# KiCad board x399 Burn In v0_0_6LC.kicad_pcb
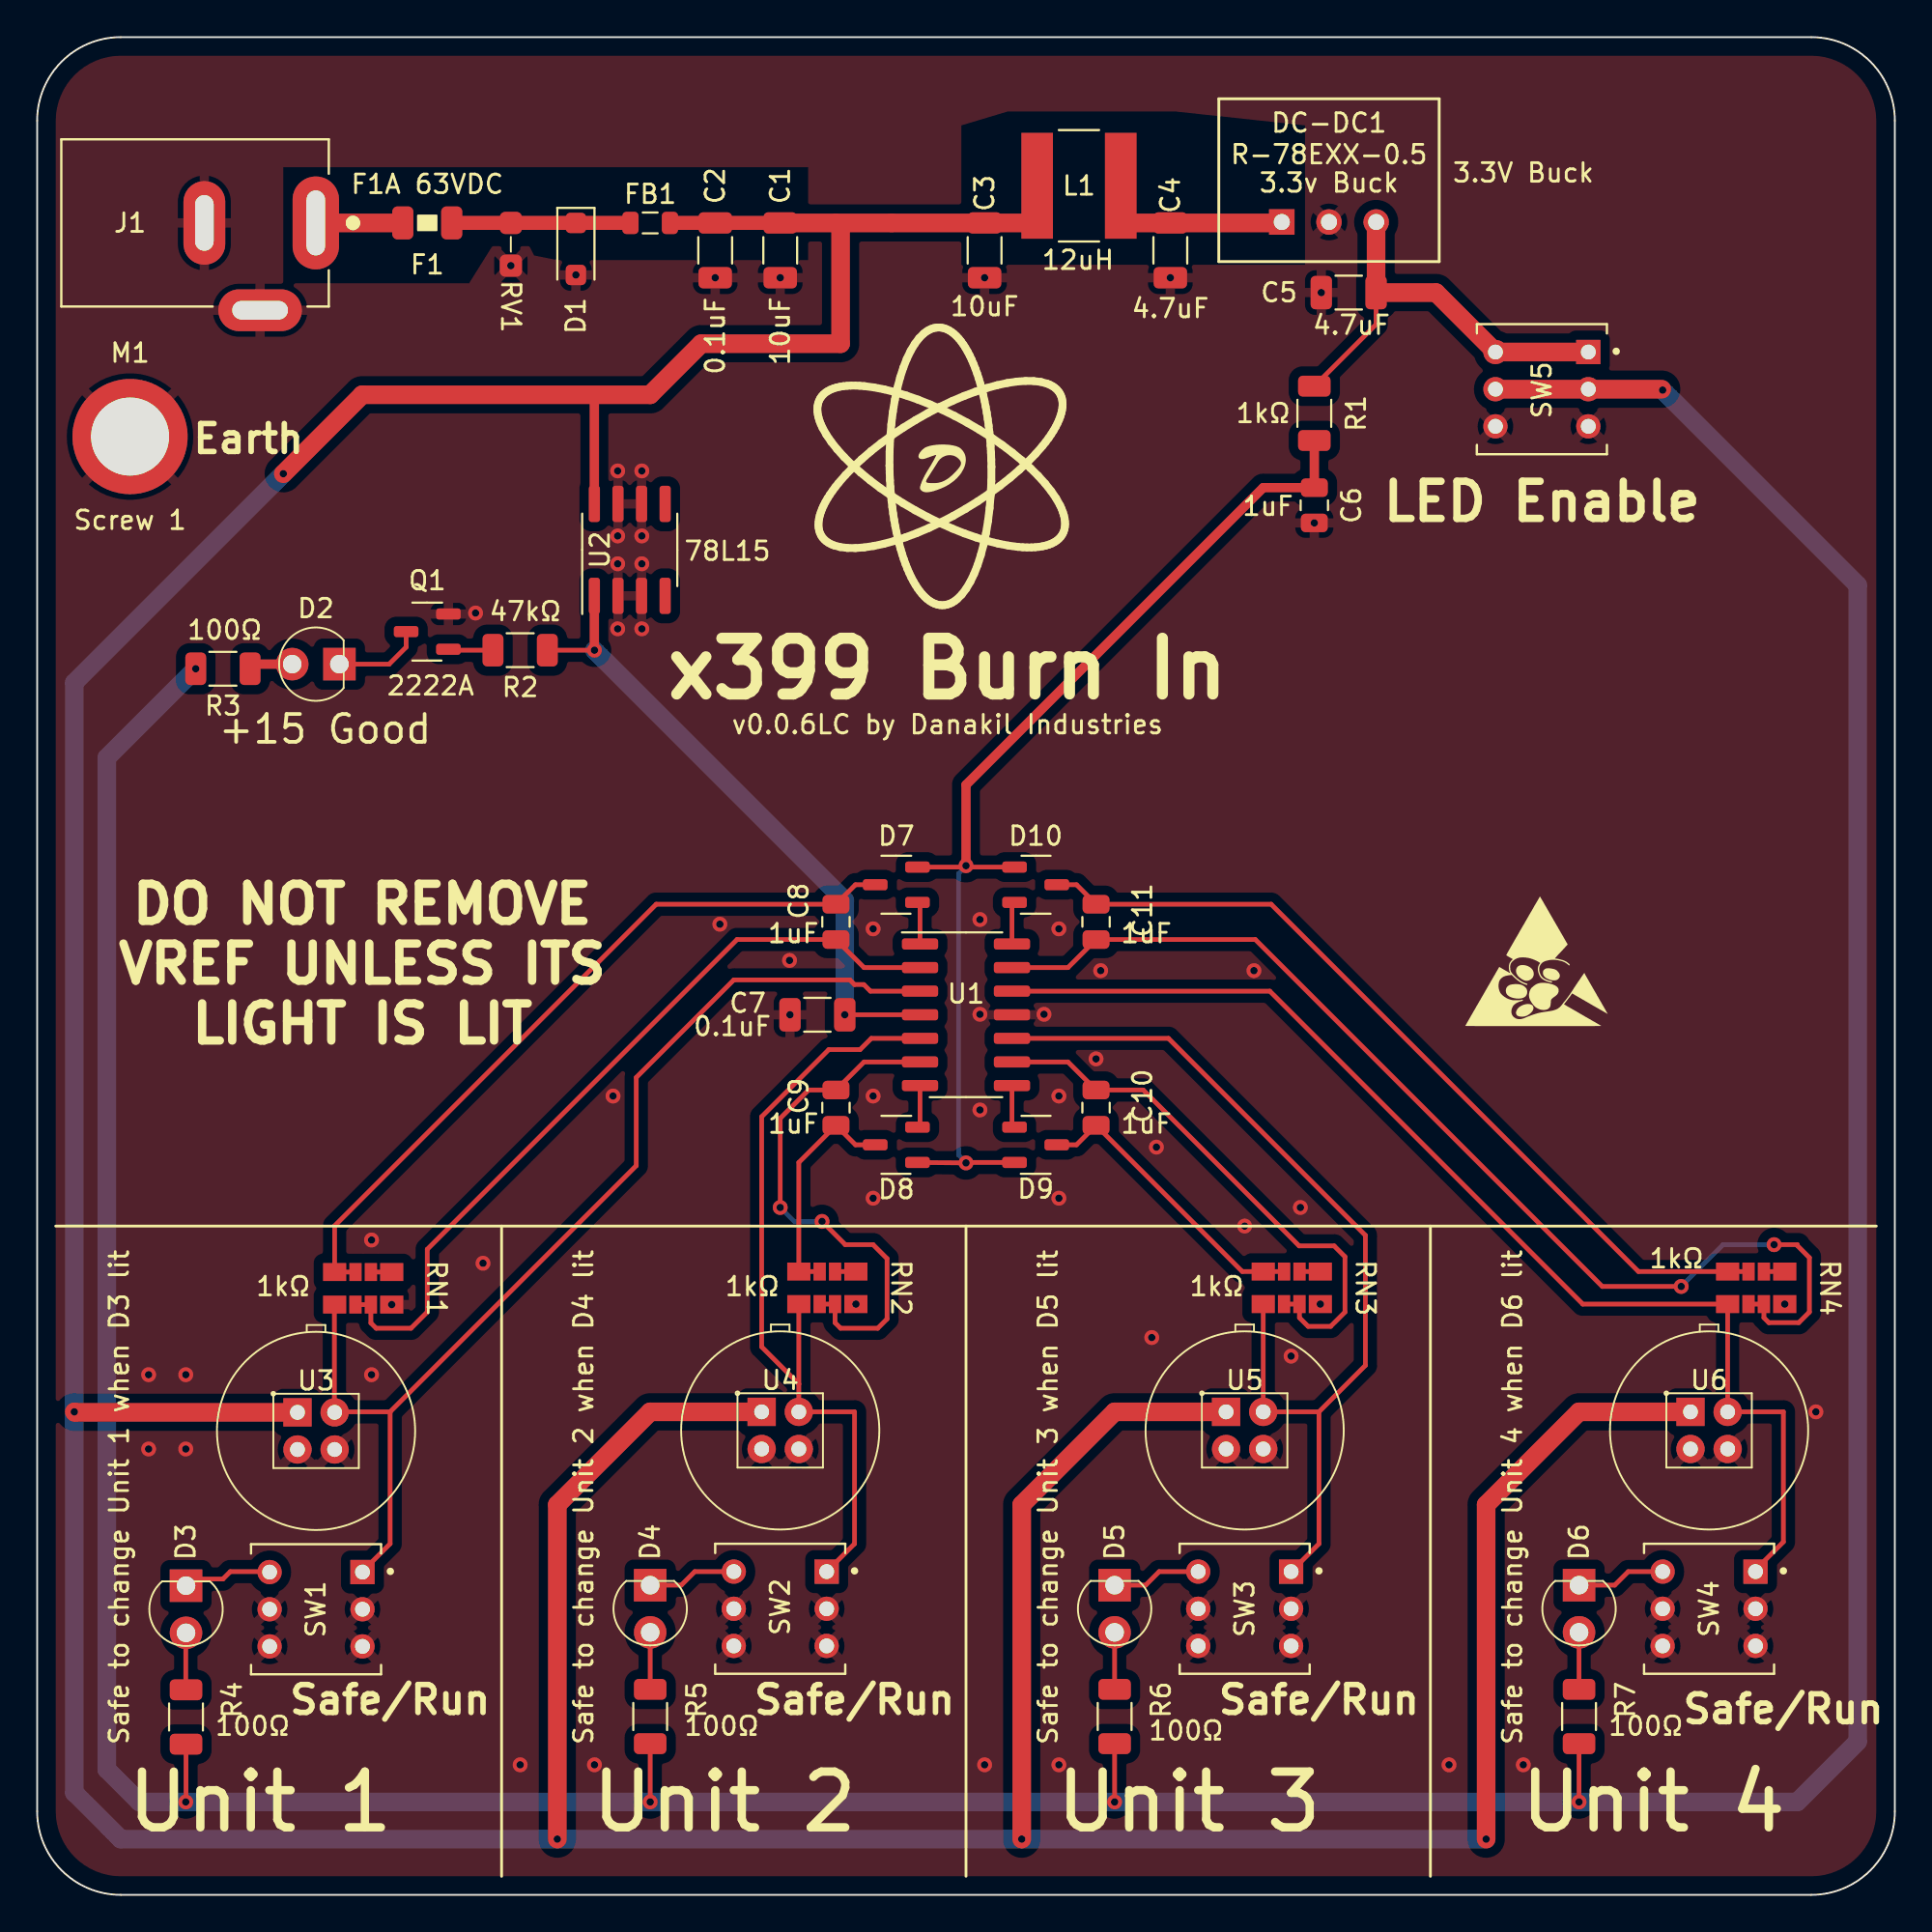
[diagram p0: board, top side]
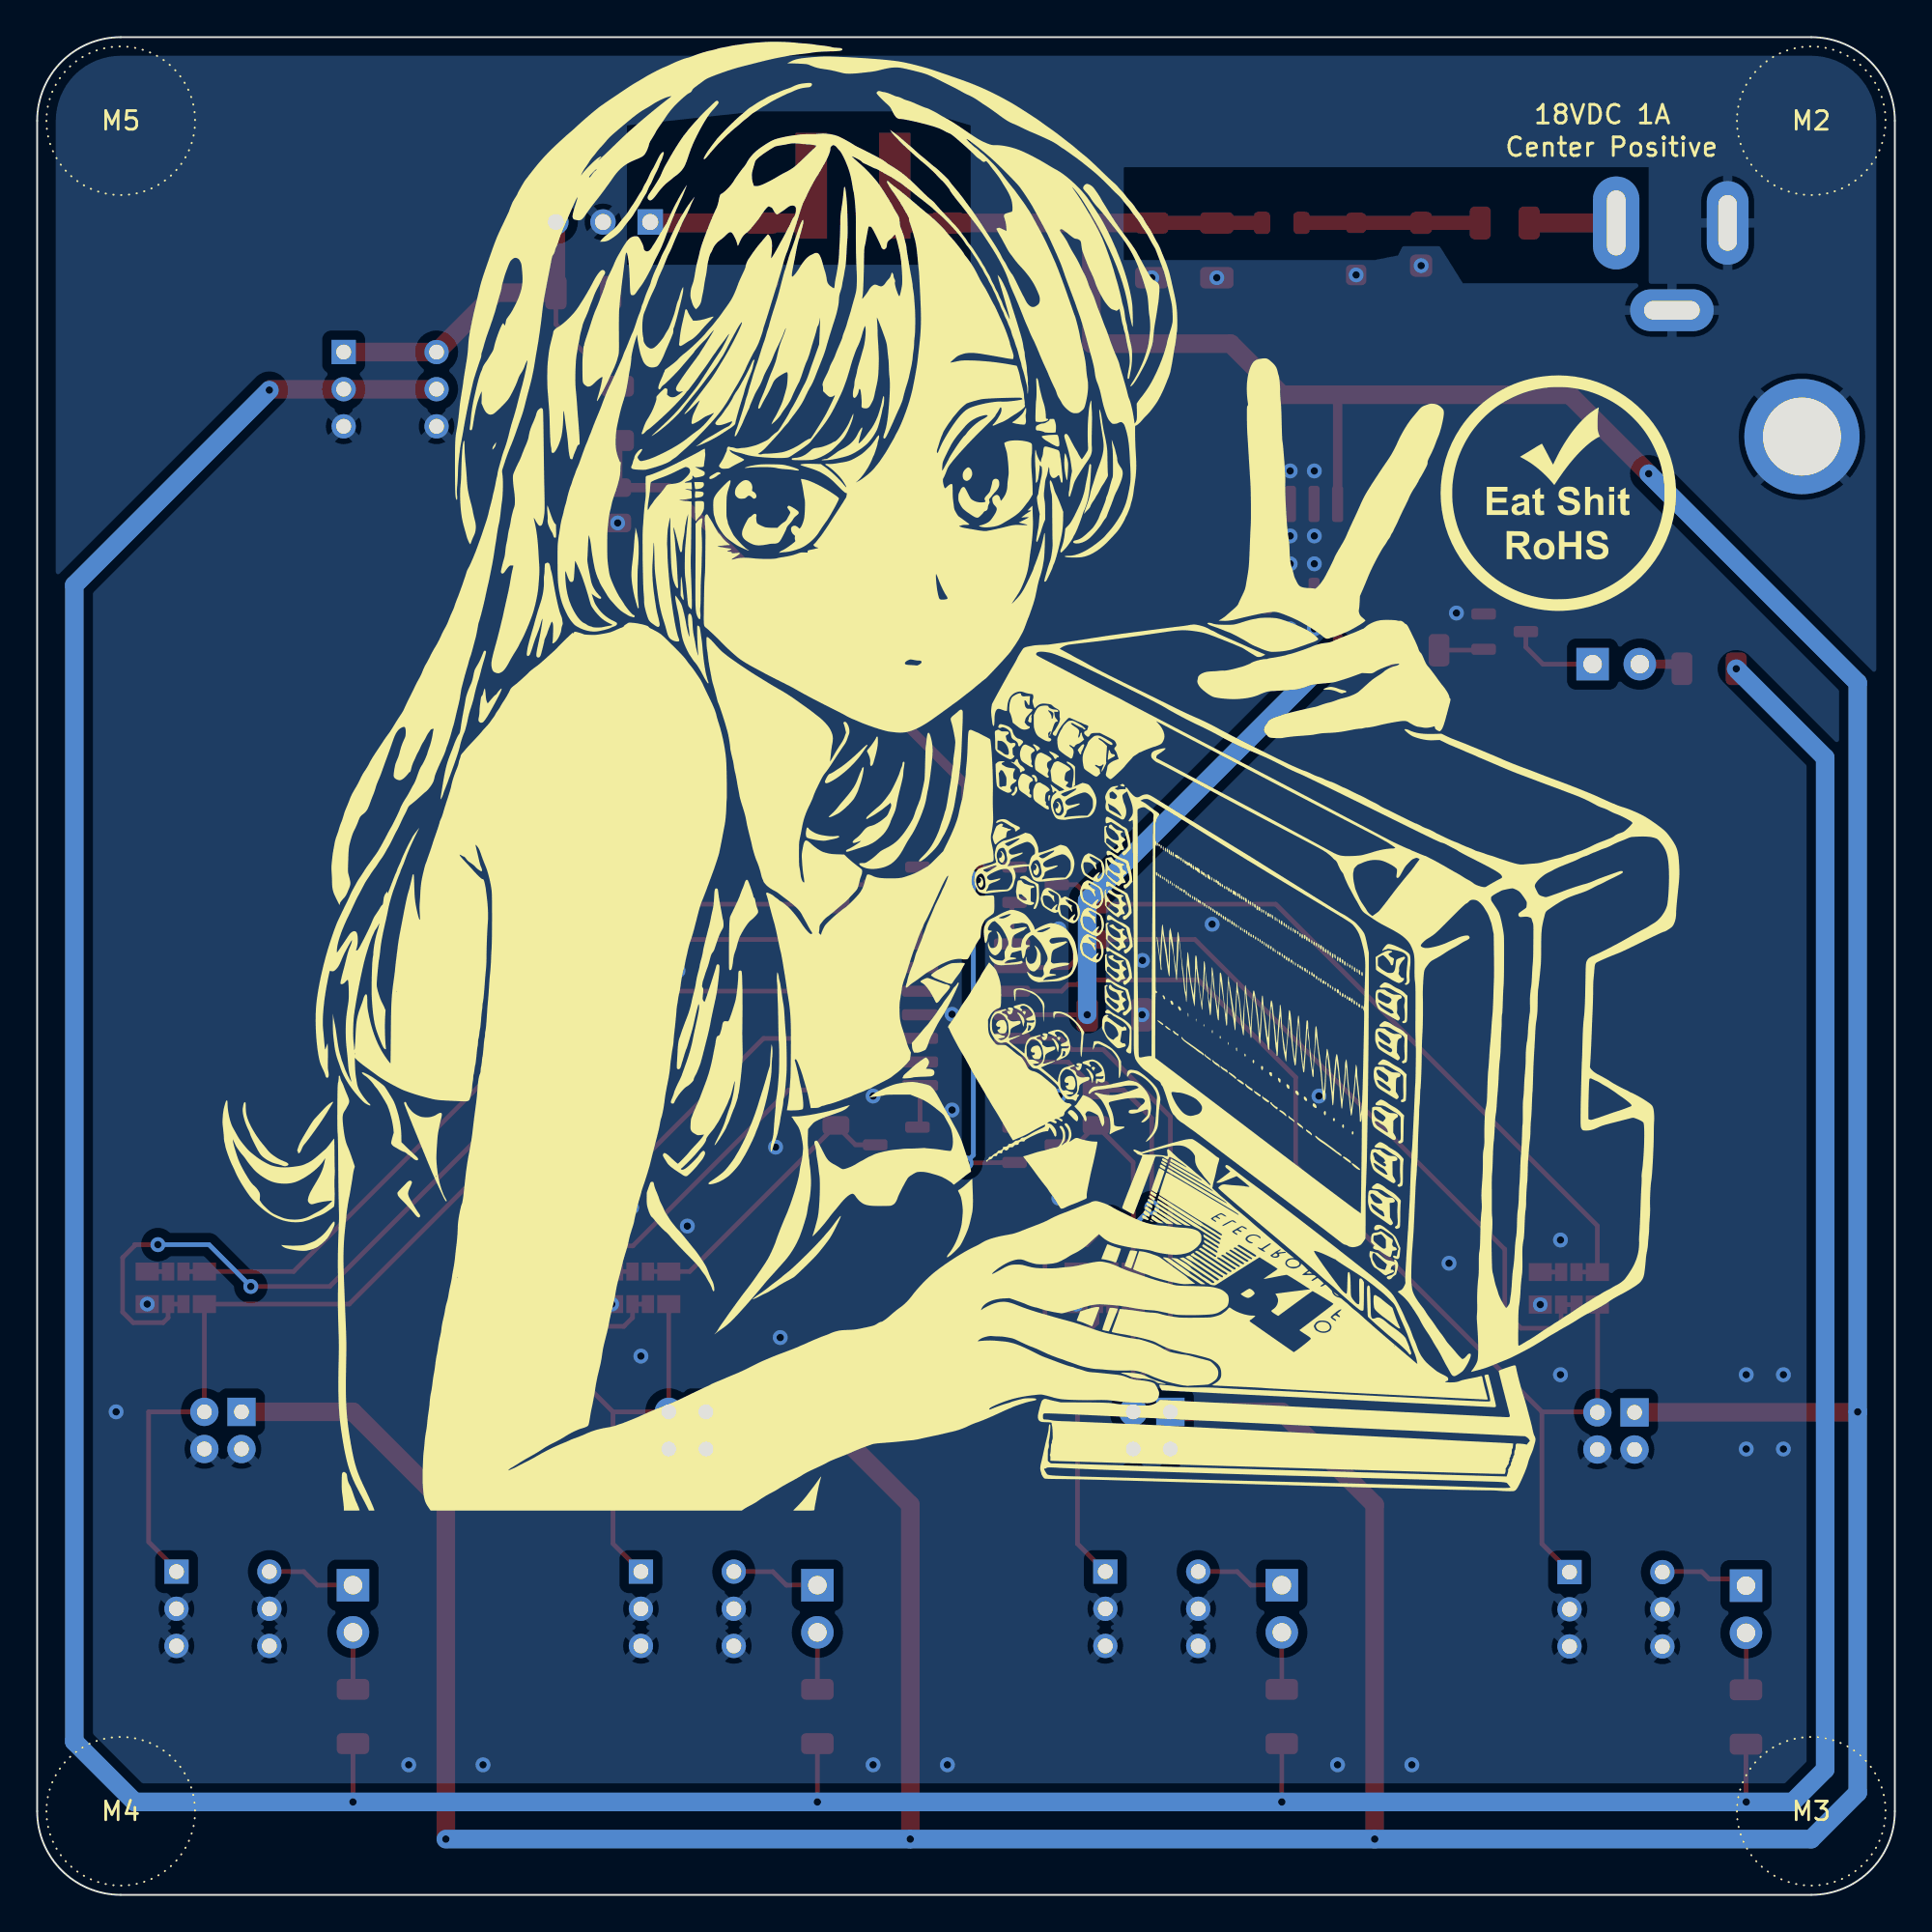
[diagram p1: board, bottom side, seen from below]

Outline 100 x 100 mm; copper layers: Top, Bottom. Coordinates in mm from the lower left corner of the outline.
Outline path: 0,95.5 arc(1.32,98.68) 4.5,100 95.5,100 arc(98.68,98.68) 100,95.5 100,4.5 arc(98.68,1.32) 95.5,0 4.5,0 arc(1.32,1.32) 0,4.5 0,95.5
Stack: Top 0.035mm / dielectric 1.51mm FR4 er 4.5 / Bottom 0.035mm

## Placement (name value [footprint] x y rotation side)
C1  10u  [C_1206_3216Metric]  40 88.53 270 top
C2  100n  [C_1206_3216Metric]  36.5 88.53 270 top
C3  10u  [C_1206_3216Metric]  51 88.53 270 top
C4  4.7u  [C_1206_3216Metric]  61 88.53 270 top
C5  4.7u  [C_1206_3216Metric]  70.6 86.25 180 top
C6  1u  [C_0805_2012Metric]  68.75 74.8 270 top
C7  100n  [C_1206_3216Metric]  42 47.38 180 top
C8  1u  [C_0805_2012Metric]  43 52.38 90 top
C9  1u  [C_0805_2012Metric]  43 42.38 270 top
C10  1u  [C_0805_2012Metric]  57 42.38 270 top
C11  1u  [C_0805_2012Metric]  57 52.38 90 top
D1  Schottky 40V 2A SMD  [D_SOD-123F]  29 88.6 270 top
D2  Green 3mm  [LED_3mm_wurth]  15 66.25 0 top
D3  Green 3mm  [LED_3mm_wurth]  8.01 15.37 90 top
D4  Green 3mm  [LED_3mm_wurth]  33 15.4 90 top
D5  Green 3mm  [LED_3mm_wurth]  58 15.4 90 top
D6  Green 3mm  [LED_3mm_wurth]  83 15.4 90 top
D7  Schottky 40V 0.12A SMD  [SOT-23-3_1]  46.25 54.38 180 top
D8  Schottky 40V 0.12A SMD  [SOT-23-3_1]  46.25 40.38 180 top
D9  Schottky 40V 0.12A SMD  [SOT-23-3_1]  53.75 40.38 0 top
D10  Schottky 40V 0.12A SMD  [SOT-23-3_1]  53.75 54.38 0 top
DC-DC1  3.3v 0.6A Buck  [R-78E-0.5]  67 90.05 0 top
F1  125VAC/63VDC 1A F  [Fuse_1206]  21 90 0 top
FB1  600Ω@100MHz 0.1ΩDCR  [L_0805_2012Metric]  33 90 0 top
J1  2.5mmID 5.5mmOD  [CUI_PJ-002B]  15 90 180 top
L1  12u  [ASPI-6045S-120M-T]  56.08 92 0 top
M1  M3x0.5 0.3mm_tall  [24939_ElecConn]  5 78.5 0 top
M2  9.5mm Black  [BS22BL05X06RP]  4.5 95.5 0 top
M3  9.5mm Black  [BS22BL05X06RP]  4.5 4.5 0 top
M4  9.5mm Black  [BS22BL05X06RP]  95.5 4.5 0 top
M5  9.5mm Black  [BS22BL05X06RP]  95.5 95.5 0 top
Q1  2222A  [SOT-23-3]  21 68 180 top
R1  1k  [R_1206_3216Metric]  68.75 79.75 270 top
R2  47k  [R_1206_3216Metric]  26 67 180 top
R3  100  [R_1206_3216Metric]  10 66 180 top
R4  100  [R_1206_3216Metric]  8.01 9.57 270 top
R5  100  [R_1206_3216Metric]  33 9.6 90 top
R6  100  [R_1206_3216Metric]  58 9.6 270 top
R7  100  [R_1206_3216Metric]  83 9.6 270 top
RN1  1k  [BO_CAY16]  17.55 32.65 270 top
RN2  1k  [BO_CAY16]  42.54 32.68 270 top
RN3  1k  [BO_CAY16]  67.54 32.68 270 top
RN4  1k  [BO_CAY16]  92.54 32.68 270 top
RV1  14VAC/18VDC  [MOV_0805]  25.5 88.85 270 top
Screw 1  M3x0.5x6 Binding Head Green  [9191]  5 78.5 0 top
SW1  Push 30V 0.1A  [SW_TL2230EEF100]  15.01 15.37 270 top
SW2  Push 30V 0.1A  [SW_TL2230EEF100]  40 15.4 270 top
SW3  Push 30V 0.1A  [SW_TL2230EEF100]  65 15.4 270 top
SW4  Push 30V 0.1A  [SW_TL2230EEF100]  90 15.4 270 top
SW5  Push 30V 0.1A  [SW_TL2230EEF100]  81 81.05 270 top
U1  LM324  [SOIC-14_3.9x8.7mm_P1.27mm]  50 47.38 0 top
U2  78L15  [SOIC-8_3.9x4.9mm_P1.27mm]  31.9 72.4 90 top
U3  x399 Vref Socket  [x399_Socket]  15.01 24.97 0 top
U4  x399 Vref Socket  [x399_Socket]  40 25 0 top
U5  x399 Vref Socket  [x399_Socket]  65 25 0 top
U6  x399 Vref Socket  [x399_Socket]  90 25 0 top

## Library data of the parts
C1 C3 = -: Description: Unpolarized capacitor; Distributor: Digikey; Distributor PN: 1276-1075-1-ND; MFG: Samsung Electro-Mechanics; MFG PN: CL31A106KAHNNNE; Mounting Type: SMD; Name: 10uF 25V 1206 X5R SMD MLCC; Size: 1206; Symbol: 0Dan_Passives:C; Technology: MLCC; Temp Co: X5R; Voltage: 25
C2 C7 = -: Description: Unpolarized capacitor; Distributor: Digikey; Distributor PN: 1276-1017-1-ND; MFG: Samsung Electro-Mechanics; MFG PN: CL31B104KBCNNNC; Mounting Type: SMD; Name: 100nF 50V 1206 X7R SMD MLCC; Size: 1206; Symbol: 0Dan_Passives:C; Technology: MLCC; Temp Co: X7R; Voltage: 50
C4 C5 = -: Description: Unpolarized capacitor; Distributor: Digikey; Distributor PN: 1276-1055-1-ND; MFG: Samsung Electro-Mechanics; MFG PN: CL31B475KAHNNNE; Mounting Type: SMD; Name: 4.7uF 25V 1206 X7R SMD MLCC; Size: 1206; Symbol: 0Dan_Passives:C; Technology: MLCC; Temp Co: X7R; Voltage: 25
C6 C8-C11 = -: Description: Unpolarized capacitor; Distributor: Digikey; Distributor PN: 1276-6495-1-ND; MFG: Samsung Electro-Mechanics; MFG PN: CL21F105ZBFNNNG; Mounting Type: SMD; Name: 1uF 50V 0805 Y5V SMD MLCC; Size: 0805; Symbol: 0Dan_Passives:C; Technology: MLCC; Temp Co: Y5V; Voltage: 50
D1 = -: Distributor: Digikey; Distributor PN: 3757-SS2040LL_R1_00001CT-ND; I (max): 2A; MFG: Panjit International Inc.; MFG PN: SS2040LL_R1_00001; Mounting Type: SMD; Sim.Pins: 1=K 2=A; Symbol: 0Dan_Discreet:Diode_Schottky; Vf@If (max): 0.45V@2A; Vr (max): 40V
D2-D6 = -: Description: Light emitting diode; Color: Green; Distributor: Digikey; Distributor PN: 732-5008-ND; If (mA): 20; MFG: Würth Elektronik; MFG PN: 151031VS06000; Name: Green 3mm 560nm 2.2v 20mA; Size: 3mm; Symbol: 0Dan_Discreet:LED; Vf: 2.2; Wavelength: 560
D7-D10 = -: Comment: Dual CC; Distributor: Digikey; Distributor PN: 1727-4235-1-ND; I (max): 0.12A; MFG: Nexperia USA Inc.; MFG PN: BAS40-05,215; Mounting Type: SMD; Name: Schottky 40V 0.12A SMD Dual CC; Symbol: 0Dan_Discreet:Diode_Schottky_BAS40-05; Vf@If (max): 1V@40mA; Vr (max): 40V
DC-DC1 = -: Distributor: Digikey; Distributor PN: 945-1661-5-ND; Iout: 0.6A; MFG: Recom Power; MFG PN: R-78E3.3-0.5; Name: Buck 6v-28v to 3.3v0.6A; Symbol: 0Dan_PSUs:78xx Replacement; Type: Buck; Vin (max): 28v; Vin (min): 6v; Vout: 3.3v; Field16: Foobar
F1 = -: Breaking Capacity (A AC): 100; Breaking Capacity (A DC): 50; Current Rating (A): 1; Distributor: Digikey; Distributor PN: 5923-C1F1CT-ND; MFG: Bel Fuse Inc.; MFG PN: C1F 1; Melting I2T: 0.012; Mounting Type: SMD; Name: 125VAC/63VDC 1A F SMD; Response Time: F; Symbol: 0Dan_Protection:Fuse
FB1 = -: DCR (max): 0.1Ω; Distributor: Digikey; Distributor PN: 1934-1487-1-ND; Imax: 2A; MFG: Fair-Rite Products Corp.; MFG PN: 2508056017Y2; Name: 600Ω@100MHz 2A 0.1ΩDCR; Symbol: 0Dan_Passives:FB; Z@Freq: 600Ω@100MHz
J1 = -: Description: DC Barrel Jack with an internal switch; Distributor: Digikey; Distributor PN: CP-002B-ND; ID: 2.5mm; MFG: Same Sky (Formerly CUI Devices); MFG PN: PJ-002B; OD: 5.5mm; Symbol: 0Dan_Connectors:Barrel_Jack_Switch
L1 = -: Description: Inductor; DCR: 58m; Distributor: Digikey; Distributor PN: 535-ASPI-6045S-120M-TCT-ND; MFG: Abracon LLC; MFG PN: ASPI-6045S-120M-T; Mounting Type: SMD; Name: 12uH 2.2A 58mΩ 20% NonStd SMD; Size: NonStd; Symbol: 0Dan_Passives:L; Tolerance: 20
M1 = -: Comment: Elect_Conn; Distributor: Digikey; Distributor PN: 36-24939CT-ND; Height: 0.3mm; MFG: Keystone Electronics; MFG PN: 24939; Name: M3x0.5 0.3mm_tall Elect_Conn; Symbol: 0Dan_Mech_Standoffs:SMD_ElecConn; Thread Size: M3x0.5
M2-M5 = -: Color: Black; Diameter: 9.5mm; Distributor: Digikey; Distributor PN: 2042-1050-ND; Height: 5.4mm; MFG: Bumper Specialties Inc.; MFG PN: BS22BL05X06RP; Name: 9.5mm_dia 5.4mm_height Black; Symbol: 0Dan_Mech_Feet:Foot
Q1 = -: Description: Bipolar transistor symbol for simulation only, substrate tied to the emitter; Distributor: Digikey; Distributor PN: MMBT2222ATPMSCT-ND; Gain: 100; Ic: 0.6A; MFG: MCC (Micro Commercial Components); MFG PN: MMBT2222A-TP; Mounting Type: SMD; Name: 2222A 40V-Vce 0.6A-Ic 0.35W 100-Bmin SMD; Pmax: 0.35W; Sim.Device: NPN; Sim.Pins: 1=C 2=B 3=E; Sim.Type: GUMMELPOON; Symbol: 0Dan_Discreet:NPN; Vce: 40V
R1 = -: Description: Resistor, US symbol; Comment: Automotive; Distributor: Digikey; Distributor PN: RMCF1206FT1K00CT-ND; MFG: Stackpole Electronics Inc; MFG PN: RMCF1206FT1K00; Name: 1kΩ 1% 1206 0.25w Thick Film 200ppm/°C Automotive; Power: 0.25; Size: 1206; Symbol: 0Dan_Passives:R_US; Technology: Thick Film; Temp Co: 200; Tolerance: 1; Voltage: 200v
R2 = -: Description: Resistor, US symbol; Comment: Automotive; Distributor: Digikey; Distributor PN: RMCF1206FT47K0CT-ND; MFG: Stackpole Electronics Inc; MFG PN: RMCF1206FT47K0; Name: 47kΩ 1% 1206 0.25w Thick Film 100ppm/°C Automotive; Power: 0.25; Size: 1206; Symbol: 0Dan_Passives:R_US; Technology: Thick Film; Temp Co: 100; Tolerance: 1; Voltage: 200v
R3-R7 = -: Description: Resistor, US symbol; Comment: Automotive; Distributor: Digikey; Distributor PN: RMCF1206FT100RCT-ND; MFG: Stackpole Electronics Inc; MFG PN: RMCF1206FT100R; Name: 100Ω 1% 1206 0.25w Thick Film 100ppm/°C Automotive; Power: 0.25; Size: 1206; Symbol: 0Dan_Passives:R_US; Technology: Thick Film; Tolerance: 1; Voltage: 200v
RN1-RN4 = -: Description: 4 resistor network; Distributor: Digikey; Distributor PN: CAY16-1001F4LFCT-ND; MFG: Bourns Inc.; MFG PN: CAY16-1001F4LF; Max Voltage: 50; Name: 1kΩ 1% 4-Element 1206 62.5mW 50V Thick Film 200PPM/°C; Number of elements: 4; Power / element (mW): 62.5; Size: 1206; Symbol: 0Dan_Passives:R_Network04_Iso; TCR (PPM/°C): 200; Technology: Thick Film; Tolerance (%): 1
RV1 = -: Description: Voltage dependent resistor, US symbol; Distributor: Digikey; Distributor PN: 118-BVR0805-14PFRCT-ND; MFG: Bourns Inc.; MFG PN: BVR0805-14PFR; Max ACV: 14; Max DCV: 18; Mounting Type: SMD; Name: 14VAC/18VDC 120A  J SMD; Surge Current (A): 120; Symbol: 0Dan_Protection:MOV; Varistor Voltage (max): 28; Varistor Voltage (min): 22
Screw 1 = -: Description: M3x0.5 - 6mm Socket Head Cap Screw; Comment: Green; Distributor: Digikey; Distributor PN: 36-9191-6-ND; Drive Type: Combination; Has Hole: FALSE; Head Type: Binding Head; MFG: Keystone Electronics; MFG PN: 9191-6; Material: Brass; Name: M3x0.5x6 Combination Drive Binding Head Brass Green; Schematic Only: FALSE; Size: M3x0.5x6; Symbol: 0Dan_Mech_Screws:M3-6mm_Pan_Green
SW1-SW5 = -: Comment: Latching; Distributor: Digikey; Distributor PN: E-Switch; Imax (DC): 0.1A; MFG: E-Switch; MFG PN: TL2230EEF100; Name: DPDT Push 30V 0.1A; Symbol: 0Dan_Switches:Push_DPDT_Latching; Type: DPDT; Vmax (DC): 30V
U1 = -: Description: Low-Power, Quad-Operational Amplifiers, DIP-14/SOIC-14/SSOP-14; Distributor: Digikey; Distributor PN: 296-9540-1-ND; MFG: Texas Instruments; MFG PN: LM324ADR; Symbol: 0Dan_OpAmps:LM324
U2 = -: Distributor: Digikey; Distributor PN: 497-7278-1-ND; Iout Max: 0.1; MFG: STMicroelectronics; MFG PN: L78L15ACD13TR; Min ESR(mΩ): 0; Mounting Type: SMD; Name: 78L15 Fixed 0.1A 1.7v@0.04A 35VinMax SMD; Symbol: 0Dan_Linear_Regulation:78xx_1; Type: Fixed; Vdropout@I: 1.7v@0.04A; VinMax: 35; Vout: 15
U3-U6 = -: Distributor: Digikey; Distributor PN: S5750-02-ND; For: x399 Vref; MFG: Sullins Connector Solutions; MFG PN: NPPN022AFCN-RC; Symbol: 0Dan_VRefs-BZener:LM399

## Footprints (pads in the part's own frame, mm; a bottom-side part is the same pattern mirrored in y, then rotated)
24939_ElecConn
  round 6.2 hole 4.2: 1(0,0)
ASPI-6045S-120M-T
  rect 1.7x5.7 smd: 1(-2.25,0) 2(2.25,0)
BO_CAY16
  rect 0.965x1.245 smd: 1(-0.876,1.537) 4(-0.876,-1.537) 5(0.876,-1.537) 8(0.876,1.537)
  rect 0.965x0.66 smd: 2(-0.876,0.415) 3(-0.876,-0.414) 6(0.876,-0.415) 7(0.876,0.414)
C_0805_2012Metric
  rrect 1x1.45 smd: 1(-0.95,0) 2(0.95,0)
C_1206_3216Metric
  rrect 1.15x1.8 smd: 1(-1.475,0) 2(1.475,0)
CUI_PJ-002B
  oval 2.5x5 hole 1x3.5: 1(0,0)
  oval 2.25x4.5 hole 1x3: 2(6,0)
  oval 4.5x2.25 hole 3x1: 3(3,4.7)
D_SOD-123F
  rrect 1.1x1.1 smd: 1(-1.4,0) 2(1.4,0)
Fuse_1206
  rrect 1.14x1.78 smd: 1(-1.317,0) 2(1.317,0)
L_0805_2012Metric
  rrect 0.875x1.2 smd: 1(-1.062,0) 2(1.062,0)
LED_3mm_wurth
  rect 1.75x1.75 hole 1: 1(1.27,0)
  round 1.75 hole 1: 2(-1.27,0)
MOV_0805
  rrect 1.2x1.2 smd: 1(-1.15,0) 2(1.15,0)
R-78E-0.5
  rect 1.372x1.372 hole 0.864: 1(0,0)
  round 1.372 hole 0.864: 2(2.54,0) 3(5.08,0)
R_1206_3216Metric
  rrect 1.125x1.75 smd: 1(-1.462,0) 2(1.462,0)
SOIC-8_3.9x4.9mm_P1.27mm
  rrect 1.95x0.6 smd: 1(-2.475,1.905) 2(-2.475,0.635) 3(-2.475,-0.635) 4(-2.475,-1.905) 5(2.475,-1.905) 6(2.475,-0.635) 7(2.475,0.635) 8(2.475,1.905)
SOIC-14_3.9x8.7mm_P1.27mm
  rrect 1.95x0.6 smd: 1(-2.475,3.81) 2(-2.475,2.54) 3(-2.475,1.27) 4(-2.475,0) 5(-2.475,-1.27) 6(-2.475,-2.54) 7(-2.475,-3.81) 8(2.475,-3.81) 9(2.475,-2.54) 10(2.475,-1.27) 11(2.475,0) 12(2.475,1.27) 13(2.475,2.54) 14(2.475,3.81)
SOT-23-3
  rrect 1.325x0.6 smd: 1(1.137,0) 2(-1.137,0.95) 3(-1.137,-0.95)
SOT-23-3_1
  rrect 1.325x0.6 smd: 1(-1.137,0.95) 2(-1.137,-0.95) 3(1.137,0)
SW_TL2230EEF100
  rect 1.308x1.308 hole 0.8: 1(-2,2.5)
  round 1.308 hole 0.8: 2(0,2.5) 3(2,2.5) 4(-2,-2.5) 5(0,-2.5) 6(2,-2.5)
x399_Socket
  rect 1.524x1.524 hole 0.8: 1(-1,1)
  round 1.524 hole 0.8: 2(-1,-1) 3(1,-1) 4(1,1)

## Nets
GND: C1.2 C2.2 C3.2 C4.2 C5.2 C6.2 C7.2 D1.2 DC-DC1.2 J1.2 J1.3 M1.1 Q1.3 RN1.8 RN2.8 RN3.8 RN4.8 RV1.2 SW1.2 SW1.3 SW1.5 SW1.6 SW2.2 SW2.3 SW2.5 SW2.6 SW3.2 SW3.3 SW3.5 SW3.6 SW4.2 SW4.3 SW4.5 SW4.6 SW5.3 SW5.6 U1.11 U2.2 U2.3 U2.6 U2.7 U3.2 U3.3 U4.2 U4.3 U5.2 U5.3 U6.2 U6.3
+3.3LED: R3.2 R4.2 R5.1 R6.2 R7.2 SW5.2 SW5.5
+3.3S: C6.1 D7.2 D8.1 D9.2 D10.1 R1.2
+18: C1.1 C2.1 C3.1 FB1.2 L1.1 U2.8 U3.1 U4.1 U5.1 U6.1
/Power/+3.3: C5.1 DC-DC1.3 R1.1 SW5.1 SW5.4
/Power/+15: C7.1 R2.1 U1.4 U2.1
Safe1: D3.1 SW1.4
Safe2: D4.1 SW2.4
Safe3: D5.1 SW3.4
Safe4: D6.1 SW4.4
Net-(D1-K): D1.1 F1.2 FB1.1 RV1.1
Net-(D2-A): D2.2 R3.1
Net-(D2-K): D2.1 Q1.1
Net-(D3-A): D3.2 R4.1
Net-(D4-A): D4.2 R5.2
Net-(D5-A): D5.2 R6.1
Net-(D6-A): D6.2 R7.1
Net-(D7-A-Pad1): D7.1 U1.1
Net-(D7-K): C8.2 D7.3 RN1.3 RN1.4
Net-(D8-A-Pad2): D8.2 U1.7
Net-(D8-K): C9.2 D8.3 RN2.3 RN2.4
Net-(D9-A-Pad1): D9.1 U1.8
Net-(D9-K): C10.2 D9.3 RN3.3 RN3.4
Net-(D10-A-Pad2): D10.2 U1.14
Net-(D10-K): C11.2 D10.3 RN4.3 RN4.4
Net-(DC-DC1-Vin): C4.1 DC-DC1.1 L1.2
Net-(F1-Pad1): F1.1 J1.1
Net-(Q1-B): Q1.2 R2.2
Net-(RN1-Pad1): RN1.1 RN1.2
Net-(RN2-Pad1): RN2.1 RN2.2
Net-(RN3-Pad1): RN3.1 RN3.2
Net-(RN4-Pad1): RN4.1 RN4.2
Net-(U1A-+): RN1.5 SW1.1 U1.3 U3.4
Net-(U1A--): C8.1 RN1.6 RN1.7 U1.2
Net-(U1B-+): RN2.5 SW2.1 U1.5 U4.4
Net-(U1B--): C9.1 RN2.6 RN2.7 U1.6
Net-(U1C-+): RN3.5 SW3.1 U1.10 U5.4
Net-(U1C--): C10.1 RN3.6 RN3.7 U1.9
Net-(U1D-+): RN4.5 SW4.1 U1.12 U6.4
Net-(U1D--): C11.1 RN4.6 RN4.7 U1.13

Pads without a net: U2 4 5

## Via types
v1: diameter 0.8, hole 0.4, Top to Bottom, 76 vias

## Routing (per net, layer and track width the routed paths; a pad name or vN(x,y) marks a point on that pad's centre or on a via; arc(x,y) is an arc through that point)
GND:
  vias: v1(6,28) v1(6,24) v1(8,28) v1(8,24) v1(18,35.25) v1(18,28) v1(19.09,31.77) v1(23.6,69) v1(24,34) v1(25.5,87.7) v1(26,7) v1(29,87.2) v1(30,7) v1(31,43) v1(31.25,76.65) v1(31.25,73.15) v1(31.25,71.65) v1(31.25,68.15) v1(32.55,76.65) v1(32.55,73.15) v1(32.55,71.65) v1(32.55,68.15) v1(36.5,87.05) v1(36.75,52.25) v1(40,87.05) v1(40.5,50.3) v1(40.53,47.38) v1(44.07,31.8) v1(45,52) v1(45,43) v1(45,37.5) v1(50.75,52.5) v1(50.75,47.4) v1(50.75,42.25) v1(51,87.05) v1(51,7) v1(54.2,47.4) v1(55,52) v1(55,43) v1(55,37.5) v1(55,7) v1(57,45) v1(57.25,49.75) v1(60,30) v1(60.25,40.25) v1(61,87.05) v1(65,36) v1(65.5,49.75) v1(67.5,29) v1(68,37) v1(68.75,73.85) v1(69.12,86.25) v1(69.07,31.8) v1(76,7) v1(80,7) v1(94.07,31.8) v1(95.75,26)
+3.3LED: length 256.3
  Top w0.25: R5.1 v1(33,5) ; R4.2 8.01,5.01 v1(8,5) ; R6.2 v1(58,5) ; R7.2 v1(83,5)
  Top w0.5: v1(87.5,81) 87.45,81.05
  Top w1: 87.45,81.05 SW5.5
  Bottom w0.5: v1(87.5,81) 87.45,81.05
  Bottom w1: v1(8.54,66) 3.75,61.21 3.75,6.75 5.5,5 v1(8,5) v1(33,5) v1(58,5) v1(83,5) 94.75,5 98,8.25 98,70.5 v1(87.5,81)
+3.3S: length 59.1
  Top w0.25: D8.1 v1(50,39.4) 50,39.42 D9.2 ; 50,55.38 50,55.33 ; 50,55.33 D10.1 ; 50,55.33 D7.2
  Top w0.5: 50,55.33 v1(50,55.4) 50,59.75 66,75.75 C6.1 R1.2
  Bottom w0.25: 50,39.42 49.6,39.83 49.6,54.97 50,55.38
+18: length 324.7
  Top w0.5: 30,80.75 U2.8
  Top w0.75: FB1.2 C1.1
  Top w1: U4.1 33,26 28,21 v1(28,3) ; U3.1 2.03,25.97 v1(2,26) ; U6.1 83,26 78,21 v1(78,3) ; L1.1 53.83,90 C3.1 C1.1 ; U5.1 58,26 53,21 v1(53,3) ; 43.25,89.75 43.25,83.5 35.75,83.5 33,80.75 17.5,80.75 v1(13.25,76.5)
  Bottom w1: v1(78,3) v1(53,3) v1(28,3) 4.5,3 2,5.5 v1(2,26) 2,65.25 v1(13.25,76.5)
/Power/+3.3: length 23
  Top w0.25: 72.07,90.05 DC-DC1.3 ; C5.1 72.07,84.54 R1.1
  Top w1: 72.07,90.05 C5.1 75.3,86.25 SW5.4 SW5.1
/Power/+15: length 34.7
  Top w0.25: R2.1 v1(30,67) 30,67 ; U1.4 v1(43.47,47.38)
  Top w0.5: 30,67 U2.1
  Bottom w1: v1(43.47,47.38) 43.47,53.53 v1(30,67)
Safe1: length 4.8
  Top w0.25: 12.5,17.4 10.4,17.4 10,17 8.33,17 8,16.67
Safe2: length 4.8
  Top w0.25: D4.1 34.67,16.67 35.4,17.4 SW2.4
Safe3: length 4.8
  Top w0.25: D5.1 59.67,16.67 60.4,17.4 SW3.4
Safe4: length 4.8
  Top w0.25: SW4.4 85.65,17.4 84.92,16.67 D6.1
Net-(D1-K): length 9.6
  Top w0.75: F1.2 FB1.1
Net-(D2-A): length 2.4
  Top w0.25: 11.71,66.25 R3.1
  Top w0.5: D2.2 11.71,66.25
Net-(D2-K): length 4.8
  Top w0.25: D2.1 18.95,66.25 19.86,67.16 Q1.1
Net-(D3-A): length 3.1
  Top w0.25: 8,14.13 8,11.06
Net-(D4-A): length 3.1
  Top w0.25: D4.2 R5.2
Net-(D5-A): length 3.1
  Top w0.25: D5.2 R6.1
Net-(D6-A): length 3.1
  Top w0.25: D6.2 R7.1
Net-(D7-A-Pad1): length 2.3
  Top w0.25: D7.1 47.53,53.29 U1.1
Net-(D7-K): length 40.3
  Top w0.25: D7.3 44.05,54.38 C8.2 33.33,53.33 16.01,36.01 RN1.4 RN1.3
Net-(D8-A-Pad2): length 2.3
  Top w0.25: D8.2 47.53,41.46 U1.7
Net-(D8-K): length 12.4
  Top w0.25: D8.3 44.05,40.38 C9.2 41,39.42 RN2.4 RN2.3
Net-(D9-A-Pad1): length 2.3
  Top w0.25: D9.1 52.47,41.46 U1.8
Net-(D9-K): length 15.9
  Top w0.25: D9.3 55.95,40.38 C10.2 64.87,33.55 RN3.4 RN3.3
Net-(D10-A-Pad2): length 2.3
  Top w0.25: U1.14 52.47,53.29 D10.2
Net-(D10-K): length 45.9
  Top w0.25: D10.3 55.95,54.38 C11.2 66.43,53.33 86.2,33.55 RN4.4 RN4.3
Net-(DC-DC1-Vin): length 10.7
  Top w0.25: 66.95,90 DC-DC1.1
  Top w1: L1.2 58.33,90 C4.1 66.95,90
Net-(F1-Pad1): length 4.7
  Top w1: J1.1 F1.1
Net-(Q1-B): length 2.4
  Top w0.25: R2.2 22.19,67 Q1.2
Net-(RN1-Pad1): length 1.1
  Top w0.25: RN1.1 RN1.2
Net-(RN2-Pad1): length 1.1
  Top w0.25: RN2.2 RN2.1
Net-(RN3-Pad1): length 1.1
  Top w0.25: RN3.2 RN3.1
Net-(RN4-Pad1): length 1.1
  Top w0.25: RN4.1 RN4.2
Net-(U1A-+): length 59.2
  Top w0.25: 16,31.8 16,26 19,26 ; 19,26 19,18.9 17.5,17.4 ; 19,26 32.25,39.25 32.25,44 37.5,49.25 43.75,49.25 44,49 44.5,49 44.85,48.64 U1.3
Net-(U1A--): length 42.8
  Top w0.25: U1.2 44.51,49.92 C8.1 37.67,51.42 21,34.75 21,31.38 20.12,30.5 18.25,30.5 17.96,30.79 RN1.7 RN1.6
Net-(U1B-+): length 43.5
  Top w0.25: 41,27.5 39,29.5 39,41.89 42.61,45.5 44.3,45.5 44.91,46.11 U1.5 ; 41,27.5 U4.4 44,26 44,18.9 SW2.1 ; 41,27.5 RN2.5
Net-(U1B--): length 28.7
  Top w0.25: v1(42.25,36.25) 43.5,35 45,35 45.75,34.25 45.75,31 45.25,30.5 43.25,30.5 42.95,30.8 RN2.7 RN2.6 ; v1(40,37) 40,41.8 41.53,43.33 C9.1 44.51,44.83 U1.6
  Bottom w0.25: v1(40,37) 40.75,36.25 v1(42.25,36.25)
Net-(U1C-+): length 52
  Top w0.25: SW3.1 69,18.9 69,26 ; 69,26 U5.4 RN3.5 ; 69,26 71.5,28.5 71.5,35.5 60.9,46.11 U1.10
Net-(U1C--): length 29.8
  Top w0.25: RN3.6 RN3.7 67.95,31.07 68.42,30.6 69.63,30.6 70.4,31.37 70.4,34.35 69.82,34.93 67.93,34.93 59.54,43.33 C10.1 55.49,44.83 U1.9
Net-(U1D-+): length 63.5
  Top w0.25: U1.12 66.35,48.64 83.2,31.8 RN4.5 U6.4 94,26 94,19 92.5,17.5 SW4.1
Net-(U1D--): length 59.8
  Top w0.25: RN4.6 RN4.7 92.95,31.07 93.22,30.8 94.83,30.8 95.4,31.37 95.4,34.3 94.75,34.95 94.75,35 v1(93.5,35) ; U1.13 55.49,49.92 C11.1 65.57,51.42 84.25,32.75 v1(88.5,32.75)
  Bottom w0.25: v1(88.5,32.75) 90.75,35 v1(93.5,35)

## Copper pours and planes (outline as drawn; the poured copper is in the pictures)
GND on Top, Bottom: 0,100 100,100 100,0 0,0

## Text on the board
B.Silkscreen: Center Positive | 18VDC 1A
F.Silkscreen: 0.1uF | 1uF | 12uH | 100Ω | 2222A | 47kΩ | 78L15 | 1kΩ | v0.0.6LC by Danakil Industries | 10uF | 4.7uF | 3.3V Buck | F1A 63VDC | Safe to change Unit 1 when D3 lit | Safe to change Unit 2 when D4 lit | Safe to change Unit 3 when D5 lit | Safe to change Unit 4 when D6 lit | +15 Good | Earth | Safe/Run | LED Enable | Unit 1 | Unit 2 | Unit 3 | Unit 4 | x399 Burn In | DO NOT REMOVE VREF UNLESS ITS LIGHT IS LIT
